# KiCad board dacboard.kicad_pcb (continued)
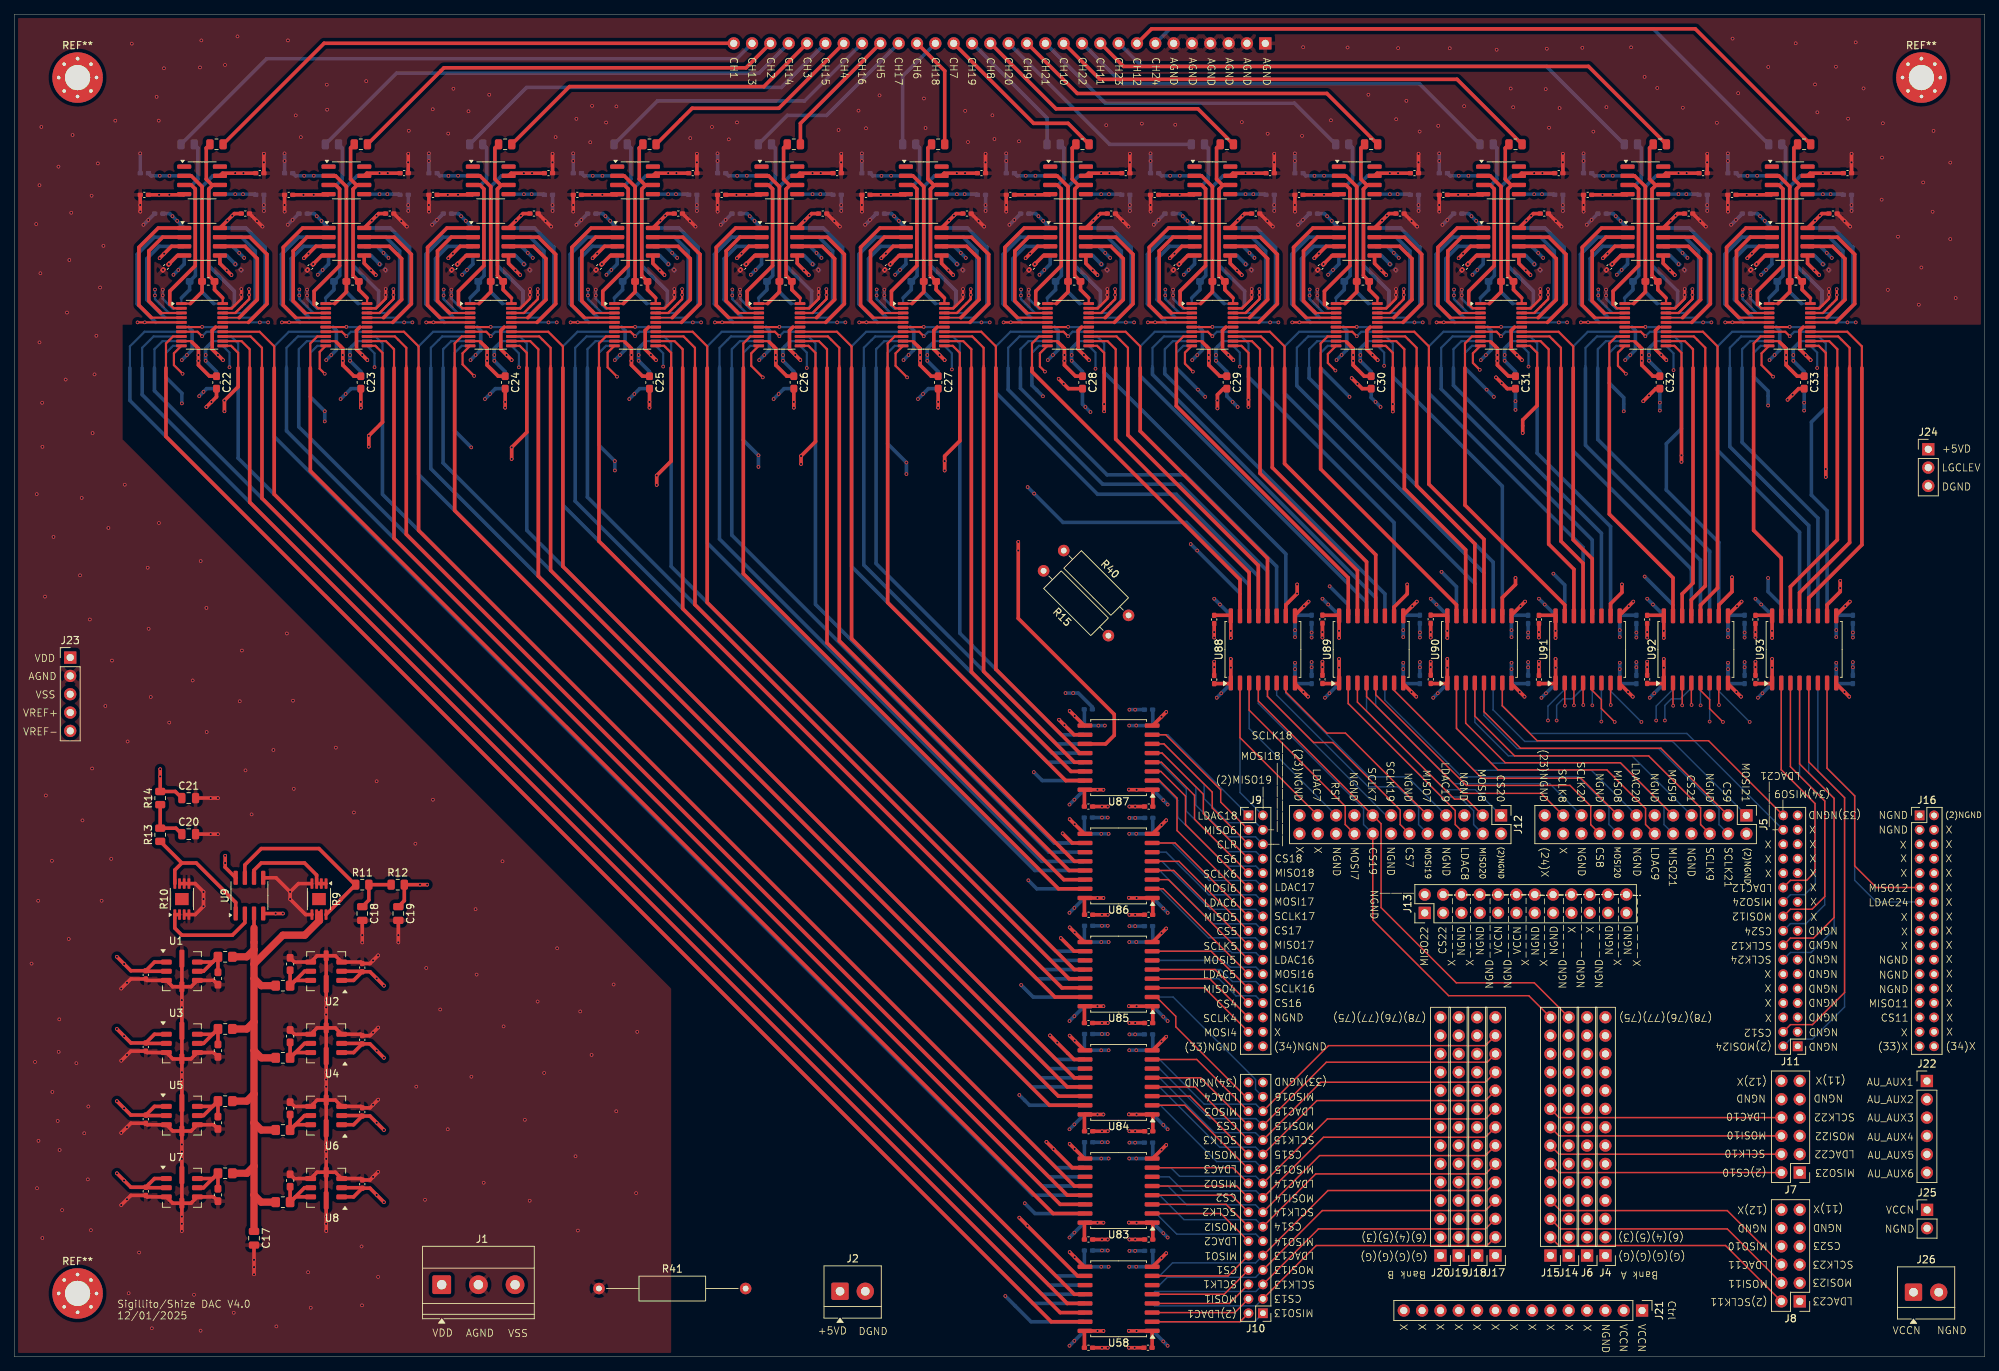
[diagram p0: board, top side]
## Nets (continued)
NGND: C72.1 C74.1 C76.1 C78.1 C79.1 C80.1 C84.1 C85.1 C86.1 C90.1 C91.1 C92.1 C96.1 C97.1 C98.1 C102.1 C103.1 C104.1 C108.1 C109.1 C110.1 C114.1 C115.1 C116.1 J4.1 J5.2 J5.5 J5.8 J5.11 J5.14 J5.17 J5.20 J5.23 J6.1 J7.9 J7.10 J8.9 J8.10 J9.30 J9.33 J9.34 J10.33 J10.34 J11.1 J11.3 J11.5 J11.7 J11.9 J11.11 J11.13 J11.15 J11.17 J11.33 J12.2 J12.5 J12.8 J12.11 J12.14 J12.17 J12.20 J12.23 J13.2 J13.5 J13.7 J13.8 J13.10 J13.13 J13.15 J13.16 J13.18 J13.20 J13.21 J13.23 J14.1 J15.1 J16.1 J16.2 J16.3 J16.21 J16.23 J16.25 J17.1 J18.1 J19.1 J20.1 J21.3 J25.2 J26.2 U58.8 U83.8 U84.8 U85.8 U86.8 U87.8 U88.8 U89.8 U90.8 U91.8 U92.8 U93.8 U94.8 U95.8 U96.8 U97.8 U98.8 U99.8 U100.8 U101.8 U102.8 U103.8 U104.8 U105.8
RESET_N: U10.6 U13.6 U15.6 U17.6 U19.6 U21.6 U26.6 U27.6 U28.6 U29.6 U32.6 U33.6 U38.6 U39.6 U40.6 U41.6 U44.6 U45.6 U50.6 U51.6 U52.6 U53.6 U56.6 U57.6 U100.11
RESET_N_ALLCH: J12.19 J19.14 U100.6
SCLK_CH1: J10.6 J18.4 U58.4
SCLK_CH2: J10.16 J18.8 U83.4
SCLK_CH3: J10.26 J18.12 U84.4
SCLK_CH4: J9.29 J20.3 U85.4
SCLK_CH5: J9.19 J20.7 U86.4
SCLK_CH6: J9.9 J20.11 U87.4
SCLK_CH7: J12.15 J14.14 U88.4
SCLK_CH8: J5.21 J6.12 U89.4
SCLK_CH9: J5.6 J6.10 U90.4
SCLK_CH10: J7.4 J15.7 U91.4
SCLK_CH11: J8.2 J15.2 U92.4
SCLK_CH12: J6.5 J11.16 U93.4
SCLK_CH13: J10.5 J17.3 U94.4
SCLK_CH14: J10.15 J17.7 U95.4
SCLK_CH15: J10.25 J17.11 U96.4
SCLK_CH16: J9.26 J19.3 U97.4
SCLK_CH17: J9.16 J19.7 U98.4
SCLK_CH18: J9.6 J19.11 U99.4
SCLK_CH19: J6.14 J12.13 U100.4
SCLK_CH20: J4.12 J5.19 U101.4
SCLK_CH21: J4.10 J5.4 U102.4
SCLK_CH22: J7.7 J14.9 U103.4
SCLK_CH23: J8.5 J14.4 U104.4
SCLK_CH24: J6.4 J11.14 U105.4
VOUT_F1: C2.1 R1.1 U1.6 U1.7
VOUT_F2: C4.1 R2.1 U2.6 U2.7
VOUT_F3: C6.1 R3.1 U3.6 U3.7
VOUT_F4: C8.1 R4.1 U4.6 U4.7
VOUT_F5: C10.1 R5.1 U5.6 U5.7
VOUT_F6: C12.1 R6.1 U6.6 U6.7
VOUT_F7: C14.1 R7.1 U7.6 U7.7
VOUT_F8: C16.1 R8.1 U8.6 U8.7
VREF+: C21.1 J23.4 R14.2 U11.3 U12.3 U14.3 U16.3 U18.3 U20.3 U22.3 U23.3 U24.3 U25.3 U30.3 U31.3 U34.3 U35.3 U36.3 U37.3 U42.3 U43.3 U46.3 U47.3 U48.3 U49.3 U54.3 U55.3
VREF-: C19.1 J23.5 R12.2 U11.5 U12.5 U14.5 U16.5 U18.5 U20.5 U22.5 U23.5 U24.5 U25.5 U30.5 U31.5 U34.5 U35.5 U36.5 U37.5 U42.5 U43.5 U46.5 U47.5 U48.5 U49.5 U54.5 U55.5
Net-(C18-Pad1): C18.1 R11.2 R12.1
Net-(C20-Pad1): C20.1 R13.2 R14.1
Net-(R10-Pad8): R10.8 R13.1 U9.1
Net-(R11-Pad1): R9.8 R11.1 U9.7
Net-(U9A-+): C17.1 R1.2 R2.2 R3.2 R4.2 R5.2 R6.2 R7.2 R8.2 R9.6 R9.7 U9.3
Net-(U9A--): R10.1 R10.2 U9.2
Net-(U9B--): R9.1 R9.2 R9.3 U9.6
Net-(U10-VREFNF): U10.16 U11.7
Net-(U10-VREFNS): U10.17 U11.6
Net-(U10-VREFPF): U10.4 U11.1
Net-(U10-VREFPS): U10.3 U11.2
Net-(U12A--): U12.2 U13.3
Net-(U12B--): U12.6 U13.17
Net-(U13-VREFNF): U12.7 U13.16
Net-(U13-VREFPF): U12.1 U13.4
Net-(U14A--): U14.2 U15.3
Net-(U14B--): U14.6 U15.17
Net-(U15-VREFNF): U14.7 U15.16
Net-(U15-VREFPF): U14.1 U15.4
Net-(U16A--): U16.2 U17.3
Net-(U16B--): U16.6 U17.17
Net-(U17-VREFNF): U16.7 U17.16
Net-(U17-VREFPF): U16.1 U17.4
Net-(U18A--): U18.2 U19.3
Net-(U18B--): U18.6 U19.17
Net-(U19-VREFNF): U18.7 U19.16
Net-(U19-VREFPF): U18.1 U19.4
Net-(U20A--): U20.2 U21.3
Net-(U20B--): U20.6 U21.17
Net-(U21-VREFNF): U20.7 U21.16
Net-(U21-VREFPF): U20.1 U21.4
Net-(U22A--): U22.2 U26.3
Net-(U22B--): U22.6 U26.17
Net-(U23A--): U23.2 U27.3
Net-(U23B--): U23.6 U27.17
Net-(U24A--): U24.2 U28.3
Net-(U24B--): U24.6 U28.17
Net-(U25A--): U25.2 U29.3
Net-(U25B--): U25.6 U29.17
Net-(U26-VREFNF): U22.7 U26.16
Net-(U26-VREFPF): U22.1 U26.4
Net-(U27-VREFNF): U23.7 U27.16
Net-(U27-VREFPF): U23.1 U27.4
Net-(U28-VREFNF): U24.7 U28.16
Net-(U28-VREFPF): U24.1 U28.4
Net-(U29-VREFNF): U25.7 U29.16
Net-(U29-VREFPF): U25.1 U29.4
Net-(U30A--): U30.2 U32.3
Net-(U30B--): U30.6 U32.17
Net-(U31A--): U31.2 U33.3
Net-(U31B--): U31.6 U33.17
Net-(U32-VREFNF): U30.7 U32.16
Net-(U32-VREFPF): U30.1 U32.4
Net-(U33-VREFNF): U31.7 U33.16
Net-(U33-VREFPF): U31.1 U33.4
Net-(U34A--): U34.2 U38.3
Net-(U34B--): U34.6 U38.17
Net-(U35A--): U35.2 U39.3
Net-(U35B--): U35.6 U39.17
Net-(U36A--): U36.2 U40.3
Net-(U36B--): U36.6 U40.17
Net-(U37A--): U37.2 U41.3
Net-(U37B--): U37.6 U41.17
Net-(U38-VREFNF): U34.7 U38.16
Net-(U38-VREFPF): U34.1 U38.4
Net-(U39-VREFNF): U35.7 U39.16
Net-(U39-VREFPF): U35.1 U39.4
Net-(U40-VREFNF): U36.7 U40.16
Net-(U40-VREFPF): U36.1 U40.4
Net-(U41-VREFNF): U37.7 U41.16
Net-(U41-VREFPF): U37.1 U41.4
Net-(U42A--): U42.2 U44.3
Net-(U42B--): U42.6 U44.17
Net-(U43A--): U43.2 U45.3
Net-(U43B--): U43.6 U45.17
Net-(U44-VREFNF): U42.7 U44.16
Net-(U44-VREFPF): U42.1 U44.4
Net-(U45-VREFNF): U43.7 U45.16
Net-(U45-VREFPF): U43.1 U45.4
Net-(U46A--): U46.2 U50.3
Net-(U46B--): U46.6 U50.17
Net-(U47A--): U47.2 U51.3
Net-(U47B--): U47.6 U51.17
Net-(U48A--): U48.2 U52.3
Net-(U48B--): U48.6 U52.17
Net-(U49A--): U49.2 U53.3
Net-(U49B--): U49.6 U53.17
Net-(U50-VREFNF): U46.7 U50.16
Net-(U50-VREFPF): U46.1 U50.4
Net-(U51-VREFNF): U47.7 U51.16
Net-(U51-VREFPF): U47.1 U51.4
Net-(U52-VREFNF): U48.7 U52.16
Net-(U52-VREFPF): U48.1 U52.4
Net-(U53-VREFNF): U49.7 U53.16
Net-(U53-VREFPF): U49.1 U53.4
Net-(U54A--): U54.2 U56.3
Net-(U54B--): U54.6 U56.17
Net-(U55A--): U55.2 U57.3
Net-(U55B--): U55.6 U57.17
Net-(U56-VREFNF): U54.7 U56.16
Net-(U56-VREFPF): U54.1 U56.4
Net-(U57-VREFNF): U55.7 U57.16
Net-(U57-VREFPF): U55.1 U57.4

Pads without a net: J5 22 24; J7 11 12; J8 11 12; J9 32; J11 6 8 10 12 19 21 23 25 26 27 28 29 30 31; J12 22 24; J13 4 6 12 14 17 19 22 24; J16 4 5 6 7 8 9 10 12 14 15 16 17 18 19 20 22 24 26 28 30 31 32 33 34; J21 4 5 6 7 8 9 10 11 12 13 14; R9 9; R10 9; REF** 1; REF**#2 1; REF**#3 1; U58 6 11; U59 1 5 8; U60 1 5 8; U61 1 5 8; U62 1 5 8; U63 1 5 8; U64 1 5 8; U65 1 5 8; U66 1 5 8; U67 1 5 8; U68 1 5 8; U69 1 5 8; U70 1 5 8; U71 1 5 8; U72 1 5 8; U73 1 5 8; U74 1 5 8; U75 1 5 8; U76 1 5 8; U77 1 5 8; U78 1 5 8; U79 1 5 8; U80 1 5 8; U81 1 5 8; U82 1 5 8; U83 6 11; U84 6 11; U85 6 11; U86 6 11; U88 6 11; U89 6 11; U90 6 11; U91 6 11; U92 6 11; U93 6 11; U94 6 11; U95 6 11; U96 6 11; U97 6 11; U98 6 11; U99 6 11; U101 6 11; U102 6 11; U103 6 11; U104 6 11; U105 6 11

## Via types
v1: diameter 0.5, hole 0.3, Top to Bottom, 1441 vias

## Routing (per net, layer and track width the routed paths; a pad name or vN(x,y) marks a point on that pad's centre or on a via; arc(x,y) is an arc through that point)
+5VD: length 309.2
  Top w0.3: U29.9 204.47,140.72 ; U13.9 44.48,140.72 ; U32.9 224.47,140.72 ; U15.9 64.47,140.72 ; U10.9 24.48,140.72 24.6,140.6 ; U26.9 144.47,140.72 ; U17.9 84.47,140.72 ; U28.9 184.47,140.72 ; U33.9 244.48,140.72 ; U27.9 164.47,140.72 ; U19.9 104.47,140.72 ; U21.9 124.47,140.72
  Top w0.5: C25.1 87.04,135.86 85.5,137.4 v1(85.5,138) 85.5,139.7 84.6,140.6 ; 211.27,102.74 213.56,102.74 213.56,99.58 ; 148.26,31.22 148.26,33.55 ; 150.9,18.56 148.26,18.56 ; 241.27,102.74 243.56,102.74 243.56,99.58 ; 150.9,63.56 148.26,63.56 ; 226.27,102.74 228.56,102.74 228.56,99.58 ; 64.6,140.6 65.5,139.7 v1(65.5,138) 65.5,137.4 67.04,135.86 C24.1 ; 104.6,140.6 105.5,139.7 v1(105.5,138) 105.5,137.4 107.04,135.86 C26.1 ; 196.27,102.74 198.56,102.74 198.56,99.58 ; 124.6,140.6 125.5,139.7 v1(125.5,138) 125.5,137.4 127.04,135.86 C27.1 ; v1(150.9,3.55) 150.9,3.56 148.26,3.56 148.26,3.55 148.26,1.22 ; C87.2 166.27,102.74 168.56,102.74 168.56,99.58 168.55,99.58 ; 224.6,140.6 225.5,139.7 v1(225.5,138) 225.5,137.4 227.04,135.86 C32.1 ; 183.56,99.58 183.56,102.74 181.27,102.74 ; 148.26,76.22 148.26,78.55 ; 150.9,33.56 148.26,33.56 ; 148.26,61.22 148.26,63.55 ; 24.6,140.6 25.5,139.7 v1(25.5,138) 25.5,137.4 27.04,135.86 C22.1 ; 150.9,78.56 148.26,78.56 ; C28.1 147.04,135.86 145.5,137.4 v1(145.5,138) 145.5,139.7 144.6,140.6 ; 244.6,140.6 245.5,139.7 v1(245.5,138) 245.5,137.4 247.04,135.86 C33.1 ; 184.6,140.6 185.5,139.7 v1(185.5,138) 185.5,137.4 187.04,135.86 C30.1 ; 148.26,46.22 148.26,48.55 ; 204.6,140.6 205.5,139.7 v1(205.5,138) 205.5,137.4 207.04,135.86 C31.1 ; 150.9,48.56 148.26,48.56 ; 148.26,16.22 148.26,18.55 ; C29.1 167.04,135.86 165.5,137.4 v1(165.5,138) 165.5,139.7 164.6,140.6 ; C23.1 47.04,135.86 45.5,137.4 v1(45.5,138) 45.5,139.7 44.6,140.6
  Bottom w0.3: 168.85,140.72 167.51,140.72 ; 108.85,140.72 107.51,140.72 ; 128.85,140.72 127.51,140.72 ; 228.85,140.72 227.51,140.72 ; 208.85,140.72 207.51,140.72 ; 48.85,140.72 47.51,140.72 ; 28.85,140.72 27.51,140.72 ; 68.85,140.72 67.51,140.72 ; 248.85,140.72 247.51,140.72 ; 148.85,140.72 147.51,140.72 ; 188.85,140.72 187.51,140.72 ; 88.85,140.72 87.51,140.72
  Bottom w0.5: 192.44,99.7 192.44,102.74 194.74,102.74 ; C22.1 28,136.5 v1(26.5,138) ; v1(126.5,138) 128,136.5 C27.1 ; C99.2 148.26,12.44 151.62,12.44 v1(151.62,12.45) ; 209.74,102.74 207.44,102.74 207.44,99.7 ; 252.44,99.7 252.44,102.74 254.74,102.74 ; 46.49,138 46.49,139.7 47.39,140.6 ; C26.1 108,136.5 v1(106.5,138) ; 247.39,140.6 246.49,139.7 246.49,138 ; 67.39,140.6 66.49,139.7 66.49,138 ; C111.2 179.74,102.74 177.44,102.74 177.44,99.7 ; v1(146.5,138) 148,136.5 C28.1 ; 86.49,138 86.49,139.7 87.39,140.6 ; 206.49,138 206.49,139.7 207.39,140.6 ; C32.1 228,136.5 v1(226.5,138) ; v1(166.5,138) 168,136.5 C29.1 ; 148.26,59.7 148.26,57.44 151.62,57.44 ; 224.74,102.74 222.44,102.74 222.44,99.7 ; C25.1 88,136.5 v1(86.5,138) ; 166.49,138 166.49,139.7 167.39,140.6 ; 127.39,140.6 126.49,139.7 126.49,138 ; v1(186.5,138) 188,136.5 C30.1 ; C33.1 248,136.5 v1(246.5,138) ; 26.49,138 26.49,139.7 27.39,140.6 ; 227.39,140.6 226.49,139.7 226.49,138 ; 106.49,138 106.49,139.7 107.39,140.6 ; 186.49,138 186.49,139.7 187.39,140.6 ; v1(46.5,138) 48,136.5 C23.1 ; 148.26,74.7 148.26,72.44 151.62,72.44 ; 151.62,42.44 148.26,42.44 148.26,44.7 ; 148.26,29.7 148.26,27.44 151.62,27.44 ; v1(206.5,138) 208,136.5 C31.1 ; 146.49,138 146.49,139.7 147.39,140.6 ; v1(151.1,87.44) v1(150.2,87.44) 148.26,87.44 148.26,89.7 ; 237.44,99.7 237.44,102.74 239.74,102.74 ; v1(66.5,138) 68,136.5 C24.1
  vias: v1(25.5,138.8) v1(26.5,138.8) v1(45.5,138.8) v1(46.5,138.8) v1(65.5,138.8) v1(66.5,138.8) v1(85.5,138.8) v1(86.5,138.8) v1(105.5,138.8) v1(106.5,138.8) v1(125.5,138.8) v1(126.5,138.8) v1(145.5,138.8) v1(146.5,138.8) v1(150.07,78.56) v1(150.07,63.56) v1(150.07,48.56) v1(150.07,33.56) v1(150.07,18.56) v1(150.07,3.56) v1(150.6,72.44) v1(150.6,57.44) v1(150.6,42.44) v1(150.6,27.44) v1(150.6,12.44) v1(150.9,78.55) v1(150.9,63.55) v1(150.9,48.55) v1(150.9,33.55) v1(150.9,18.55) v1(151.62,72.45) v1(151.62,57.45) v1(151.62,42.45) v1(151.62,27.45) v1(165.5,138.8) v1(166.5,138.8) v1(168.55,100.58) v1(168.55,99.6) v1(177.45,100.67) v1(177.45,99.7) v1(183.55,100.58) v1(183.55,99.6) v1(185.5,138.8) v1(186.5,138.8) v1(192.45,100.67) v1(192.45,99.7) v1(198.55,100.58) v1(198.55,99.6) v1(205.5,138.8) v1(206.5,138.8) v1(207.45,100.67) v1(207.45,99.7) v1(213.55,100.58) v1(213.55,99.6) v1(222.45,100.67) v1(222.45,99.7) v1(225.5,138.8) v1(226.5,138.8) v1(228.55,100.58) v1(228.55,99.6) v1(237.45,100.67) v1(237.45,99.7) v1(243.55,100.58) v1(243.55,99.6) v1(245.5,138.8) v1(246.5,138.8) v1(252.45,100.67) v1(252.45,99.7)
AGND: length 620.2
  Top w0.3: 231.44,146.59 231.44,147.93 231.44,146.59 ; 231.44,146.59 230.55,145.7 ; 231.44,146.59 230.55,145.7 ; 251.44,146.59 251.44,147.93 251.44,146.59 ; 251.44,146.59 250.55,145.7 ; 251.44,146.59 250.55,145.7 ; 250.12,145.28 250.55,145.7 ; 250.12,145.28 250.55,145.7 ; 250.12,145.28 U33.19 250.12,145.28 ; 110.12,145.28 U19.19 110.12,145.28 ; 110.12,145.28 110.55,145.7 ; 110.12,145.28 110.55,145.7 ; 150.12,145.28 U26.19 150.12,145.28 ; 150.12,145.28 150.55,145.7 ; 150.12,145.28 150.55,145.7 ; 71.44,146.59 71.44,147.93 71.44,146.59 ; 71.44,146.59 70.55,145.7 ; 71.44,146.59 70.55,145.7 ; 70.12,145.28 70.55,145.7 ; 70.12,145.28 U15.19 70.12,145.28 ; 70.12,145.28 70.55,145.7 ; 90.12,145.28 90.55,145.7 ; 90.12,145.28 90.55,145.7 ; 90.12,145.28 U17.19 90.12,145.28 ; 90.55,145.7 91.44,146.59 ; 90.55,145.7 91.44,146.59 ; 211.44,146.59 211.44,147.93 211.44,146.59 ; 211.44,146.59 210.55,145.7 ; 211.44,146.59 210.55,145.7 ; 210.55,145.7 210.12,145.28 ; 210.55,145.7 210.12,145.28 ; 50.12,145.28 U13.19 50.12,145.28 ; 50.12,145.28 50.55,145.7 ; 50.12,145.28 50.55,145.7 ; 30.12,145.28 U10.19 30.12,145.28 ; 30.12,145.28 30.55,145.7 ; 30.12,145.28 30.55,145.7 ; 91.44,146.59 91.44,147.93 91.44,146.59 ; 210.12,145.28 U29.19 210.12,145.28 ; 171.44,146.59 171.44,147.93 171.44,146.59 ; 171.44,146.59 170.55,145.7 ; 171.44,146.59 170.55,145.7 ; 111.44,146.59 111.44,147.93 111.44,146.59 ; 111.44,146.59 110.55,145.7 ; 111.44,146.59 110.55,145.7 ; 170.55,145.7 170.12,145.28 ; 170.55,145.7 170.12,145.28 ; 50.55,145.7 51.44,146.59 ; 50.55,145.7 51.44,146.59 ; 51.44,146.59 51.44,147.93 51.44,146.59 ; 190.55,145.7 191.44,146.59 ; 190.55,145.7 190.12,145.28 ; 190.55,145.7 191.44,146.59 ; 190.55,145.7 190.12,145.28 ; 191.44,146.59 191.44,147.93 191.44,146.59 ; 30.55,145.7 31.44,146.59 ; 30.55,145.7 31.44,146.59 ; 31.44,146.59 31.44,147.93 31.44,146.59 ; 190.12,145.28 U28.19 190.12,145.28 ; 150.55,145.7 151.44,146.59 ; 150.55,145.7 151.44,146.59 ; 151.44,146.59 151.44,147.93 151.44,146.59 ; 230.12,145.28 U32.19 230.12,145.28 ; 230.12,145.28 230.55,145.7 ; 230.12,145.28 230.55,145.7 ; 170.12,145.28 U27.19 170.12,145.28 ; 131.44,146.59 131.44,147.93 131.44,146.59 ; 131.44,146.59 130.55,145.7 ; 131.44,146.59 130.55,145.7 ; 130.55,145.7 130.12,145.28 ; 130.55,145.7 130.12,145.28 ; 130.12,145.28 U21.19 130.12,145.28
  Top w0.5: U1.4 24.47,51.25 U1.5 27.61,52.13 C2.2 ; U1.4 U1.8 ; U1.4 21.93,51.25 U1.3 18.4,52.13 C1.2 16.13,52.33 v1(14.8,51) ; U1.4 v1(23.2,49.4) v1(23.2,48.4) U3.8 U3.4 ; v1(23.2,17.4) v1(23.2,18.4) 23.2,21.4 U7.4 ; 41.17,65.55 39.35,65.55 v1(38.2,64.4) ; U2.4 41.93,55.55 U2.5 38.79,54.67 C4.2 ; U2.4 44.47,55.55 U2.3 48,54.67 C3.2 49.27,54.47 v1(50.4,55.6) ; U2.4 U2.8 v1(43.2,48.4) U4.4 ; U4.4 41.93,45.55 U4.5 38.79,44.67 C8.2 ; U4.4 U4.8 U6.4 ; U4.4 44.47,45.55 U4.3 48,44.67 C7.2 49.27,44.47 v1(50.4,45.6) ; C172.2 94.57,166.69 ; C10.2 27.61,32.13 U5.5 24.47,31.25 U5.4 ; 172.57,158.4 v1(174.37,156.6) ; C185.2 197.43,158.69 ; U6.4 44.47,35.55 U6.3 48,34.67 C11.2 49.27,34.47 v1(50.4,35.6) ; U6.4 U6.8 v1(43.2,28.4) U8.4 ; U6.4 41.93,35.55 U6.5 38.79,34.67 C12.2 ; C166.2 34.57,166.69 v1(34.57,166.69) ; 72.57,158.4 v1(74.37,156.6) ; 232.57,158.4 v1(234.37,156.6) ; C20.2 v1(28.2,72.4) ; C18.2 v1(48.2,57.4) ; v1(17.44,158.68) 17.43,158.69 C167.2 ; 22.93,65.55 R10.5 25.05,65.55 v1(26.2,64.4) v1(26.2,62.4) 25.05,61.25 R10.4 23.58,61.25 ; C176.2 134.57,166.69 ; v1(38.2,64.4) 36.25,66.35 U9.5 ; v1(38.2,64.4) v1(38.2,63.4) 40.35,61.25 R9.5 ; C182.2 194.57,166.69 ; U7.4 21.93,21.25 U7.3 18.4,22.13 C13.2 16.13,22.33 v1(14.8,21) ; U7.4 U7.8 v1(23.2,28.4) U5.4 ; U7.4 24.47,21.25 U7.5 27.61,22.13 C14.2 ; U5.4 21.93,31.25 U5.3 18.4,32.13 C9.2 16.13,32.33 v1(14.8,31) ; U5.4 U5.8 v1(23.2,38.4) 23.2,41.4 U3.4 ; C21.2 v1(28.2,77.4) ; C171.2 57.43,158.69 ; C174.2 114.57,166.69 ; C177.2 117.43,158.69 ; v1(50.4,25.6) 49.27,24.47 C15.2 48,24.67 U8.3 44.47,25.55 U8.4 ; 212.57,158.4 v1(214.37,156.6) ; C184.2 214.57,166.69 ; C19.2 v1(53.2,57.4) ; U3.4 21.93,41.25 U3.3 18.4,42.13 C5.2 16.13,42.33 v1(14.8,41) ; U3.4 24.47,41.25 U3.5 27.61,42.13 C6.2 ; 252.57,158.4 v1(254.37,156.6) ; C17.2 v1(33.2,11.4) ; v1(43.2,17.4) v1(43.2,18.4) U8.8 U8.4 ; C186.2 234.57,166.69 ; 112.57,158.4 v1(114.37,156.6) ; 52.57,158.4 v1(54.37,156.6) ; U8.4 41.93,25.55 U8.5 38.79,24.67 C16.2 ; v1(34.37,156.6) 32.57,158.4 C46.2 ; C178.2 154.57,166.69 ; C170.2 74.57,166.69 ; 92.57,158.4 v1(94.37,156.6) ; C181.2 157.43,158.69 ; C183.2 177.43,158.69 ; C173.2 77.43,158.69 ; C175.2 97.43,158.69 ; C189.2 237.43,158.69 ; C179.2 137.43,158.69 ; C188.2 254.57,166.69 ; C187.2 217.43,158.69 ; C169.2 37.43,158.69 ; 192.57,158.4 v1(194.37,156.6) ; C168.2 54.57,166.69 ; 152.57,158.4 v1(154.37,156.6) ; C180.2 174.57,166.69 ; 132.57,158.4 v1(134.37,156.6)
  Bottom w0.3: 141.87,145.28 U50.19 141.87,145.28 ; 141.87,145.28 141.45,145.7 ; 141.87,145.28 141.45,145.7 ; 20.56,146.59 20.56,147.93 20.56,146.59 ; 20.56,146.59 21.45,145.7 ; 20.56,146.59 21.45,145.7 ; 220.56,146.59 220.56,147.93 220.56,146.59 ; 220.56,146.59 221.45,145.7 ; 220.56,146.59 221.45,145.7 ; 41.45,145.7 40.56,146.59 ; 41.45,145.7 41.87,145.28 ; 41.45,145.7 41.87,145.28 ; 41.45,145.7 40.56,146.59 ; 40.56,146.59 40.56,147.93 40.56,146.59 ; 221.45,145.7 221.87,145.28 ; 221.45,145.7 221.87,145.28 ; 181.87,145.28 U52.19 181.87,145.28 ; 181.87,145.28 181.45,145.7 ; 181.87,145.28 181.45,145.7 ; 201.87,145.28 U53.19 201.87,145.28 ; 201.87,145.28 201.45,145.7 ; 201.87,145.28 201.45,145.7 ; 41.87,145.28 U39.19 41.87,145.28 ; 161.87,145.28 U51.19 161.87,145.28 ; 161.87,145.28 161.45,145.7 ; 161.87,145.28 161.45,145.7 ; 200.56,146.59 200.56,147.93 200.56,146.59 ; 200.56,146.59 201.45,145.7 ; 200.56,146.59 201.45,145.7 ; 21.45,145.7 21.87,145.28 ; 21.45,145.7 21.87,145.28 ; 101.87,145.28 U44.19 101.87,145.28 ; 101.87,145.28 101.45,145.7 ; 101.87,145.28 101.45,145.7 ; 181.45,145.7 180.56,146.59 ; 181.45,145.7 180.56,146.59 ; 101.45,145.7 100.56,146.59 ; 101.45,145.7 100.56,146.59 ; 61.45,145.7 60.56,146.59 ; 61.45,145.7 61.87,145.28 ; 61.45,145.7 61.87,145.28 ; 61.45,145.7 60.56,146.59 ; 60.56,146.59 60.56,147.93 60.56,146.59 ; 180.56,146.59 180.56,147.93 180.56,146.59 ; 221.87,145.28 U56.19 221.87,145.28 ; 21.87,145.28 23.14,145.28 21.87,145.28 ; 141.45,145.7 140.56,146.59 ; 141.45,145.7 140.56,146.59 ; 241.87,145.28 241.45,145.7 ; 241.87,145.28 241.45,145.7 ; 241.87,145.28 U57.19 241.87,145.28 ; 241.45,145.7 240.56,146.59 ; 241.45,145.7 240.56,146.59 ; 61.87,145.28 U40.19 61.87,145.28 ; 161.45,145.7 160.56,146.59 ; 161.45,145.7 160.56,146.59 ; 160.56,146.59 160.56,147.93 160.56,146.59 ; 100.56,146.59 100.56,147.93 100.56,146.59 ; 81.87,145.28 81.45,145.7 ; 81.87,145.28 U41.19 81.87,145.28 ; 81.87,145.28 81.45,145.7 ; 81.45,145.7 80.56,146.59 ; 81.45,145.7 80.56,146.59 ; 120.56,146.59 120.56,147.93 120.56,146.59 ; 120.56,146.59 121.45,145.7 ; 120.56,146.59 121.45,145.7 ; 121.87,145.28 U45.19 121.87,145.28 ; 121.87,145.28 121.45,145.7 ; 121.87,145.28 121.45,145.7 ; 240.56,146.59 240.56,147.93 240.56,146.59 ; 80.56,146.59 80.56,147.93 80.56,146.59 ; 140.56,146.59 140.56,147.93 140.56,146.59
  Bottom w0.5: 139.43,158.4 v1(137.88,156.85) ; 79.43,158.4 v1(77.88,156.85) ; C192.2 37.43,166.74 ; 239.43,158.4 v1(237.88,156.85) ; C202.2 137.43,166.74 ; C191.2 34.57,158.77 v1(34.57,158.77) ; C190.2 17.43,166.74 v1(17.43,166.74) ; 119.43,158.4 v1(117.88,156.85) ; C204.2 157.43,166.74 ; C208.2 197.43,166.74 ; C213.2 254.57,158.77 ; 39.43,158.4 v1(37.88,156.85) ; C193.2 54.57,158.77 ; C201.2 134.57,158.77 ; C197.2 94.57,158.77 ; C203.2 154.57,158.77 ; C194.2 57.43,166.74 ; 99.43,158.4 v1(97.88,156.85) ; v1(17.88,156.85) 19.43,158.4 C142.2 ; C205.2 174.57,158.77 ; C207.2 194.57,158.77 ; C196.2 77.43,166.74 ; C209.2 214.57,158.77 ; C198.2 97.43,166.74 ; C195.2 74.57,158.77 ; C211.2 234.57,158.77 ; C200.2 117.43,166.74 ; C212.2 237.43,166.74 ; 159.43,158.4 v1(157.88,156.85) ; C199.2 114.57,158.77 ; C206.2 177.43,166.74 ; 59.43,158.4 v1(57.88,156.85) ; 199.43,158.4 v1(197.88,156.85) ; C210.2 217.43,166.74 ; 219.43,158.4 v1(217.88,156.85) ; 179.43,158.4 v1(177.88,156.85)
  vias: v1(2.37,54.46) v1(2.85,40.83) v1(3.01,156.95) v1(3.09,119.52) v1(3.13,23.34) v1(3.29,63.17) v1(3.33,29.9) v1(3.47,162.33) v1(3.47,140.55) v1(3.6,150.13) v1(3.73,170.41) v1(3.84,132.18) v1(3.88,126.08) v1(3.87,16.43) v1(4.23,105.32) v1(4.35,77.76) v1(5.2,68.7) v1(5.26,36.68) v1(5.41,113.59) v1(6,32.65) v1(6.1,164.9) v1(6.13,42.23) v1(6.22,46.73) v1(6.26,28.63) v1(6.6,20.3) v1(7.1,135.4) v1(7.28,144.68) v1(7.53,57.87) v1(7.61,151.96) v1(7.87,158.52) v1(8.06,169.29) v1(8.58,40.66) v1(9.09,108.27) v1(9.32,118.99) v1(9.43,74.31) v1(9.67,30.95) v1(10.24,34.66) v1(10.17,24.56) v1(10.45,102.15) v1(10.6,17.52) v1(10.69,160.88) v1(10.83,127.98) v1(10.76,81.5) v1(11.1,136.11) v1(11.35,141.47) v1(11.56,165.35) v1(11.87,148.16) v1(12.08,63.17) v1(12.33,153.93) v1(12.6,90.16) v1(13.02,114.83) v1(13.41,68.97) v1(13.52,96.46) v1(13.98,171.28) v1(15.29,120.83) v1(15.6,51.8) v1(15.6,41.8) v1(15.6,31.8) v1(15.6,21.8) v1(15.68,85.24) v1(15.83,8.78) v1(16.26,181.95) v1(17.27,14.42) v1(17.43,159.59) v1(18.47,109.32) v1(18.55,157.52) v1(18.6,100.86) v1(18.9,91.41) v1(19.04,3.92) v1(19.7,174.58) v1(20,171.28) v1(20.02,115.52) v1(20.55,147.86) v1(20.55,147.07) v1(20.6,150.6) v1(20.72,178.54) v1(21.45,87.86) v1(23.2,47.4) v1(23.2,39.4) v1(23.2,37.39) v1(23.2,29.4) v1(23.2,27.4) v1(23.2,19.4) v1(24.7,93.7) v1(24.89,8.56) v1(25.71,178.65) v1(25.81,110.24) v1(25.8,3.59) v1(25.9,182.4) v1(26.2,63.4) v1(26.6,103.75) v1(26.64,86.55) v1(27.2,77.4) v1(27.2,72.4) v1(29.18,179) v1(30.39,6.07) v1(30.91,182.95) v1(31.23,90.82) v1(31.4,150.6) v1(31.44,147.94) v1(31.43,147.14) v1(31.52,97.85) v1(32.02,81.24) v1(32.87,75.14) v1(33.2,13.4) v1(33.2,12.4) v1(33.61,157.36) v1(34.56,165.5) v1(34.56,159.58) v1(35.89,84.06) v1(36.29,4.18) v1(37.43,166.74) v1(37.43,165.69) v1(37.43,159.59) v1(37.44,158.68) v1(37.75,100.21) v1(37.9,182.4) v1(38.55,157.52) v1(38.6,90.9) v1(38.71,78.68) v1(38.98,172.01) v1(39.69,169) v1(40.55,147.86) v1(40.55,147.07) v1(40.6,150.6) v1(40.69,11.69) v1(41.06,6.76) v1(43.2,49.4) v1(43.2,47.4) v1(43.2,39.4) v1(43.2,38.4) v1(43.2,37.4) v1(43.2,29.4) v1(43.2,27.4) v1(43.2,19.4) v1(43.28,176.27) v1(43.33,172.8) v1(44.54,84.39) v1(47.04,75.4) v1(48.1,15.26) v1(48.2,58.4) v1(48.16,7.1) v1(48.74,176.76) v1(49.7,54.9) v1(49.7,44.9) v1(49.7,34.9) v1(49.7,24.9) v1(50.19,79.73) v1(50.39,11.04) v1(51.4,150.6) v1(51.44,147.94) v1(51.43,147.14) v1(53.2,58.4) v1(53.61,157.36) v1(54.57,166.69) v1(54.56,165.5) v1(54.56,159.58) v1(54.57,158.77) v1(54.65,169.88) v1(55.56,71.07) v1(55.68,37.41) v1(56.89,21.73) v1(57.06,53.85) v1(57.43,166.74) v1(57.43,165.69) v1(57.43,159.59) v1(57.44,158.68) v1(57.97,172.86) v1(57.99,77.17) v1(58.55,157.52) v1(59,48.1) v1(60.04,31.5) v1(60.11,169.49) v1(60.55,147.86) v1(60.55,147.07) v1(60.6,150.6) v1(60.83,175.7) v1(62.92,172.58) v1(63.32,38.78) v1(63.9,62) v1(64.04,52.94) v1(65.02,24.09) v1(65.79,174.87) v1(67.63,68.64) v1(67.78,45.76) v1(70.73,32.81) v1(71.4,150.6) v1(71.44,147.94) v1(71.43,147.14) v1(71.4,21.6) v1(72.5,49.2) v1(73.4,39.3) v1(73.61,157.36) v1(74.57,166.69) v1(74.56,165.5) v1(74.56,159.58) v1(74.57,158.77) v1(74.99,168.99) v1(75.2,56.59) v1(77.43,166.74) v1(77.43,165.69) v1(77.43,159.59) v1(77.44,158.68) v1(77.75,27.76) v1(77.87,171.53) v1(78.08,17.47) v1(78.4,47.83) v1(78.55,157.52) v1(79.79,168.29) v1(80.04,173.33) v1(79.98,41.8) v1(80.55,147.86) v1(80.55,147.07) v1(80.6,150.6) v1(81.99,171.02) v1(83.03,51.56) v1(83.41,173.25) v1(83.39,34) v1(86.14,22.65) v1(86.3,45) v1(91.4,150.6) v1(91.44,147.94) v1(91.43,147.14) v1(93.61,157.36) v1(93.65,168.86) v1(94.57,166.69) v1(94.56,165.5) v1(94.56,159.58) v1(94.57,158.77) v1(96.65,170.4) v1(97.43,166.74) v1(97.43,165.69) v1(97.43,159.59) v1(97.44,158.68) v1(98.55,157.52) v1(98.99,168.69) v1(100.12,171.03) v1(100.55,147.86) v1(100.55,147.07) v1(100.6,150.6) v1(111.4,150.6) v1(111.44,147.94) v1(111.43,147.14) v1(113.61,157.36) v1(114.2,169.98) v1(114.57,166.69) v1(114.56,165.5) v1(114.56,159.58) v1(114.57,158.77) v1(116.96,172.67) v1(117.43,166.74) v1(117.43,165.69) v1(117.43,159.59) v1(117.44,158.68) v1(118,170.23) v1(118.55,157.52) v1(119.88,174.78) v1(120.6,150.6) v1(120.55,147.86) v1(120.55,147.07) v1(126.03,174.35) v1(126.25,170.26) v1(131.4,150.6) v1(131.44,147.94) v1(131.43,147.14) v1(131.74,172.63) v1(132.13,168.31) v1(133.61,157.36) v1(134.57,166.69) v1(134.56,165.5) v1(134.56,159.58) v1(134.57,158.77) v1(135.52,172.02) v1(135.8,168.73) v1(137.43,166.74) v1(137.43,165.69) v1(137.43,159.59) v1(137.44,158.68) v1(138.55,157.52) v1(139.2,168.42) v1(140.6,150.6) v1(140.55,147.86) v1(140.55,147.07) v1(151.29,170.65) v1(151.4,150.6) v1(151.44,147.94) v1(151.43,147.14) v1(153.61,157.36) v1(154.57,166.69) v1(154.56,165.5) v1(154.56,159.58) v1(154.57,158.77) v1(156.22,170.87) v1(157.43,166.74) v1(157.43,165.69) v1(157.43,159.59) v1(157.44,158.68) v1(158.55,157.52) v1(160.6,150.6) v1(160.55,147.86) v1(160.55,147.07) v1(160.85,170.71) v1(170.08,171.08) v1(171.4,150.6) v1(171.44,147.94) v1(171.43,147.14) v1(173.61,157.36) v1(173.66,169.47) v1(174.57,166.69) v1(174.56,165.5) v1(174.56,159.58) v1(174.57,158.77) v1(177.43,166.74) v1(177.43,165.69) v1(177.43,159.59) v1(177.44,158.68) v1(178.42,169.17) v1(178.57,181.46) v1(178.55,157.52) v1(180.6,150.6) v1(180.55,147.86) v1(180.55,147.07) v1(182.43,171.33) v1(184.73,181.42) v1(187.62,174.87) v1(191.4,150.6) v1(191.44,147.94) v1(191.43,147.14) v1(191.46,171.48) v1(191.73,181.33) v1(192.88,174.03) v1(193.61,157.36) v1(194.57,166.69) v1(194.56,165.5) v1(194.56,159.58) v1(194.57,158.77) v1(194.72,169.77) v1(197.29,170.56) v1(197.43,166.74) v1(197.43,165.69) v1(197.43,159.59) v1(197.44,158.68) v1(198.55,157.52) v1(198.89,181.31) v1(200.6,150.6) v1(200.55,147.86) v1(200.55,147.07) v1(200.88,173.29) v1(205.39,181.11) v1(207.34,175.73) v1(207.68,173.14) v1(211.4,150.6) v1(211.44,147.94) v1(211.43,147.14) v1(212.19,175.65) v1(212.34,181.25) v1(212.65,170.3) v1(213.61,157.36) v1(214.11,173.02) v1(214.57,166.69) v1(214.56,165.5) v1(214.56,159.58) v1(214.57,158.77) v1(217.26,181.38) v1(217.43,166.74) v1(217.43,165.69) v1(217.43,159.59) v1(217.44,158.68) v1(218.55,157.52) v1(218.79,169.76) v1(220.6,173.15) v1(220.6,150.6) v1(220.55,147.86) v1(220.55,147.07) v1(224.02,181.44) v1(225.89,177.34) v1(227.64,175.8) v1(231.19,173.07) v1(231.4,150.6) v1(231.44,147.94) v1(231.43,147.14) v1(233.61,157.36) v1(234.57,166.69) v1(234.56,165.5) v1(234.56,159.58) v1(234.57,158.77) v1(235.91,170.98) v1(237.43,166.74) v1(237.43,165.69) v1(237.43,159.59) v1(237.44,158.68) v1(238.08,182.65) v1(238.55,157.52) v1(238.85,175.09) v1(240.6,150.6) v1(240.55,147.86) v1(240.55,147.07) v1(243.02,178.72) v1(246.83,182) v1(249.5,176.3) v1(249.83,172.43) v1(251.4,150.6) v1(251.44,147.94) v1(251.43,147.14) v1(252.4,178.75) v1(253.61,157.36) v1(254.09,171.55) v1(254.57,166.69) v1(254.56,165.5) v1(254.56,159.58) v1(254.57,158.77) v1(255.14,182.13) v1(256.23,175.74) v1(258.74,160.33) v1(258.79,166.16) v1(258.91,170.92) v1(259.6,147.82) v1(261,155.2) v1(263.89,145.77) v1(264.24,150.93) v1(264.49,162.72) v1(265.8,158.66) v1(265.93,169.86) v1(268.25,165.47) v1(268.24,154.87) v1(269,146.7)